# Altium PCB PCB-ZB206B-0B.PcbDoc (part 3 of 7)
Units mm, origin at the board's own origin, x right, y up, seen from the top; angles counter-clockwise.
Board outline 366.51 x 137.86 mm, 2 copper layers (Top Layer, Bottom Layer); 583 components, 415 nets, 1779 pads, 4554 vias.
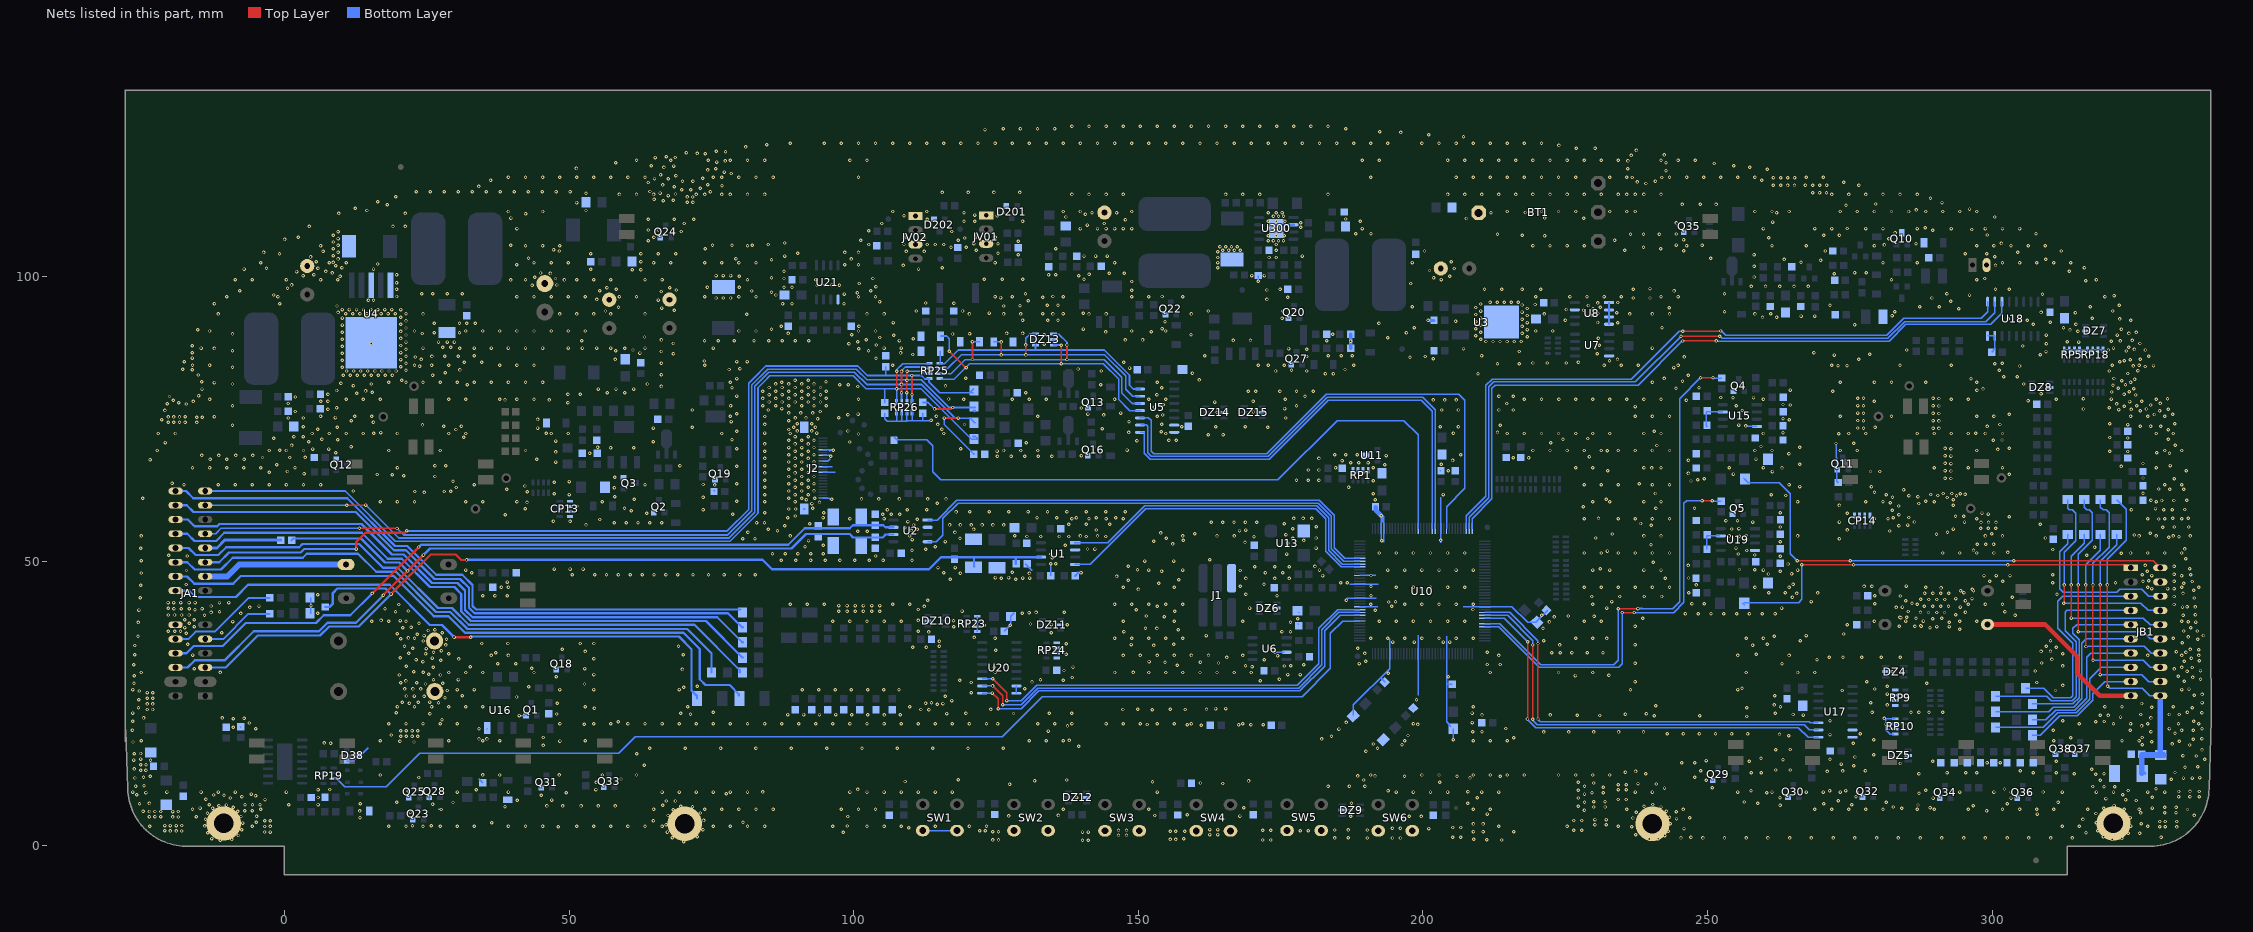
[diagram p3: the nets of this part, all layers, seen from the top]

## Via types
v1: diameter 0.6, hole 0.3, Top Layer to Bottom Layer, tented both sides, 4537 vias
v2: diameter 0.8, hole 0.3, Top Layer to Bottom Layer, 6 vias
v3: diameter 6, hole 3.4, Top Layer to Bottom Layer, 4 vias
v4: diameter 1, hole 0.5, Top Layer to Bottom Layer, tented both sides, 3 vias
v5: diameter 0.8, hole 0.4, Top Layer to Bottom Layer, 2 vias
v6: diameter 1, hole 0.3, Top Layer to Bottom Layer, 1 vias
v7: diameter 1, hole 0.5, Top Layer to Bottom Layer, 1 vias

## Nets (pads, with @x,y where several pads share a name; then routed paths per layer and width w, separated by ;. In a path a pad name is that pad's centre, name@x,y a point inside that pad or via, vN(x,y) a via of type N, cw(c..) or ccw(c..) an arc to the next point about the centre after c; other vN are vias at no path point) (continued)
CAN0_L: C11.2 D25.2 JA1.5 R5.1 R66.1 U1.6 | length 174.3
  Top Layer w0.4: v1@18.71,44.22 v1(18.71,44.24) 25.68,51.21 30.06,51.21 31.03,50.24 v1(31.98,50.24)
  Bottom Layer w0.4: JA1.5@-13.948,31.345 -10.335,31.345 -4.73,36.95 6.25,36.95 7.84,38.54 13.03,38.54 13.81,39.32 13.81,39.33 ; R66.1@7.14,41.98 7.88,41.98 8.49,42.59 8.49,44.44 9.26,45.21 17.72,45.21 18.71,44.22 13.815,39.325 ; v1(31.98,50.24) 32,50.26 83.99,50.26 85.624,48.626 113.244,48.626 115.347,50.73 121.15,50.73 ; D25.2@121.18,49.07 121.15,49.1 121.15,50.73 ; C11.2@128.46,49.51 128.46,50.66 ; U1.6@132.907,50.728 U1.6@132.907,50.728 121.15,50.73
CAN1-HR: JA1.19 R151.1 | length 13.8
  Bottom Layer w0.5: JA1.19@-13.948,52.345 -11.885,52.345 -10.51,53.72 R151.1@-0.67,53.72
CAN1_H: C5.2 D40.2 JA1.8 R6.2 U2.7 | length 135.7
  Top Layer w0.4: v1(15.4,44.36) 15.4,44.33 21.26,50.19 21.28,50.19 v1(23.6,52.51)
  Bottom Layer w0.4: JA1.8@-19.148,33.845 -17.225,33.845 -15.95,35.12 -10.85,35.12 -6.8,39.17 5.54,39.17 6.89,40.52 11.56,40.52 v1(15.4,44.36) ; v1(23.6,52.51) 23.98,52.89 88.501,52.89 91.415,55.804 99.32,55.804 99.872,56.356 C5.2@103.81,56.356 105.207,56.356 105.587,55.975 U2.7@106.984,55.975
CAN1_L: C9.2 D39.2 JA1.6 R6.1 R151.2 U2.6 | length 159.2
  Top Layer w0.4: v1@17.36,44.06 v1(24.4,51.1)
  Bottom Layer w0.4: JA1.6@-19.148,31.345 -17.045,31.345 -15.795,32.595 -10.555,32.595 -5.43,37.72 6.04,37.72 7.54,39.22 12.54,39.22 v1(17.37,44.05) ; R151.2@1.23,53.72 1.53,54.02 13.417,54.02 17.653,49.784 20.136,49.784 v1(21.62,48.3) ; v1(24.4,51.1) 25.54,52.24 89.049,52.24 91.597,54.788 99.289,54.788 99.88,54.197 C9.2@103.81,54.197 105.087,54.197 105.596,54.705 U2.6@106.984,54.705
CAN_SHLD0: JA1.9 R12.2 | length 13.2
  Bottom Layer w0.35: JA1.9@-13.948,36.345 -10.795,36.345 -6.38,40.76 R12.2@-2.62,40.76
CAN_SHLD1: JA1.10 R13.2 | length 19.5
  Bottom Layer w0.35: JA1.10@-19.148,36.345 -16.905,36.345 -15.61,37.64 -12.23,37.64 -6.28,43.59 R13.2@-2.61,43.59
CANRX0: U1.4 U10.63 | length 62.5
  Bottom Layer w0.25: U1.4@138.81,49.49 U1.4@139.65,49.49 ; U1.4@138.87,49.51 138.88,49.52 U1.4@138.907,49.52 ; U1.4@138.907,49.458 141.538,49.458 151.322,59.242 181.162,59.242 182.93,57.474 182.93,51.745 185.665,49.01 U10.63@188.9,49.01
CANRX1: U2.4 U10.65 | length 88.1
  Bottom Layer w0.25: U2.4@112.984,53.435 114.497,53.435 115.672,54.61 115.672,57.561 118.352,60.242 181.585,60.242 183.93,57.897 183.93,52.164 186.084,50.01 U10.65@188.9,50.01
CANTX0: U1.1 U10.64 | length 60.7
  Bottom Layer w0.25: U1.1@138.81,53.35 138.86,53.3 U1.1@139.03,53.3 ; U1.1@138.86,53.19 U1.1@138.95,53.19 ; U1.1@138.907,53.268 U1.1@138.998,53.268 ; U1.1@138.95,53.22 U1.1@138.998,53.268 ; U1.1@139.062,53.332 U1.1@139.03,53.3 ; U10.64@188.9,49.51 185.874,49.51 183.43,51.954 183.43,57.684 181.372,59.742 151.112,59.742 144.671,53.3 U1.1@139.03,53.3 ; U1.1@138.998,53.268 U1.1@139.03,53.3
CANTX1: U2.1 U10.66 | length 85
  Bottom Layer w0.25: U2.1@112.984,57.245 114.636,57.245 118.132,60.742 181.798,60.742 184.43,58.11 184.43,52.374 186.294,50.51 U10.66@188.9,50.51
CP1: R96.2 U10.139 | length 73.7
  Top Layer w0.25: v1(235.02,41) v1(237.13,41) ; v1(249.05,60.66) 249.07,60.64 v1(250.83,60.64)
  Bottom Layer w0.25: U10.139@210.9,38.51 213.324,38.51 220.474,31.36 234.39,31.36 235.02,31.99 v1(235.02,41) ; 238.649,41.002 237.132,41.002 v1(237.13,41) 244.073,41 245.85,42.777 245.85,60.19 246.32,60.66 v1(249.05,60.66) ; v1(250.83,60.64) 250.89,60.58 R96.2@252.45,60.58
CP2: R21.2 U10.138 | length 92.5
  Top Layer w0.25: v1(234.32,41.66) 234.36,41.7 v1(237.78,41.7) ; v1(248.77,82.24) 250.96,82.24 v1(250.97,82.25)
  Bottom Layer w0.25: U10.138@210.9,39.01 213.534,39.01 220.682,31.862 233.562,31.862 234.32,32.62 v1(234.32,41.66) ; v1@237.77,41.71 238.595,41.71 238.585,41.7 ; v1(237.78,41.7) 238.585,41.7 ; v1(248.77,82.24) 248.73,82.24 245.09,78.6 245.09,42.906 243.884,41.7 238.585,41.7 ; v1(250.97,82.25) 251.02,82.2 R21.2@252.53,82.2
DA1: U10.134 U17.11 | length 74.6
  Top Layer w0.25: v1@220.22,22.3 v1(220.22,35.558)
  Bottom Layer w0.25: U10.134@210.9,41.01 215.22,41.01 220.22,36.01 v1(220.22,35.558) ; v1@220.22,22.22 220.628,21.812 267.868,21.812 268.04,21.64 U17.11@269.48,21.64
  other v1: 220.22,22.29
DA2: U10.108 U18.11 | length 123.1
  Top Layer w0.25: v1(245.65,88.71) 245.66,88.72 v1(251.55,88.72)
  Bottom Layer w0.25: U10.108@208.65,55.76 208.65,57.47 212.141,60.961 212.141,80.442 212.669,80.97 237.84,80.97 245.58,88.71 v1(245.65,88.71) ; v1@251.62,88.682 281.912,88.682 284.842,91.612 299.782,91.612 301.742,93.572 U18.11@301.742,95.607
DA3: U10.48 U20.11 | length 79
  Top Layer w0.25: v1(124.41,29.38) 126.87,26.92 v1(126.87,25.53)
  Bottom Layer w0.25: U20.11@122.55,29.38 v1(124.41,29.38) ; v1(126.87,25.53) 129.43,25.53 132.125,28.225 177.936,28.225 181.722,32.012 181.722,38.217 185.015,41.51 U10.48@188.9,41.51
DA4: U5.11 U10.99 | length 91.6
  Bottom Layer w0.25: U5.11@150.18,75.26 151.79,75.26 152.24,74.81 152.24,69.38 152.698,68.922 172.582,68.922 183.05,79.39 206.27,79.39 207.35,78.31 207.35,62.82 204.15,59.62 U10.99@204.15,55.76
DB1: U10.135 U17.10 | length 74.9
  Top Layer w0.25: v1@219.31,22.29 v1(219.31,35.29) v1@219.31,35.32
  Bottom Layer w0.25: U10.135@210.9,40.51 214.87,40.51 219.3,36.08 v1@219.3,35.32 ; v1@219.31,22.11 220.12,21.3 266.98,21.3 ; 267,21.3 266.98,21.3 ; U17.10@269.48,20.37 267.91,20.37 266.98,21.3
  other v1: 219.3,22.27
DB2: U10.107 U18.10 | length 122.8
  Top Layer w0.25: v1(245.35,89.56) v1(252.18,89.56)
  Bottom Layer w0.25: U10.107@208.15,55.76 208.15,57.74 211.596,61.186 211.596,80.659 212.451,81.514 237.304,81.514 v1(245.35,89.56) ; v1(252.18,89.56) 252.558,89.182 281.702,89.182 284.632,92.112 298.922,92.112 300.472,93.662 U18.10@300.472,95.607
DB3: U10.47 U20.10 | length 79
  Top Layer w0.25: v1(124.39,28.11) 126.16,26.34 v1(126.16,24.79)
  Bottom Layer w0.25: U20.10@122.55,28.11 v1(124.39,28.11) ; v1(126.16,24.79) 129.401,24.79 132.336,27.725 178.146,27.725 182.222,31.802 182.222,38.002 185.231,41.01 U10.47@188.9,41.01
DB4: U5.10 U10.95 | length 82.9
  Bottom Layer w0.25: U5.10@150.45,73.97 150.46,73.97 150.49,74 151.41,74 151.64,73.77 151.64,69.06 152.28,68.42 172.789,68.42 183.191,78.822 199.988,78.822 202.15,76.66 U10.95@202.15,55.76
DC1: U10.136 U17.9 | length 75.4
  Top Layer w0.25: v1@218.39,35.91 218.44,35.86 v1@218.44,22.24
  Bottom Layer w0.25: U10.136@210.9,40.01 214.28,40.01 v1(218.4,35.89) ; v1(218.37,22.29) 218.37,22.22 219.798,20.792 265.988,20.792 267.68,19.1 U17.9@269.48,19.1
DC2: U10.106 U18.9 | length 122.5
  Top Layer w0.25: v1(245.66,90.43) 245.68,90.45 252.18,90.45 v1@252.29,90.56
  Bottom Layer w0.25: U10.106@207.65,55.76 207.65,57.97 211.08,61.4 211.08,80.905 212.206,82.031 236.651,82.031 245.05,90.43 v1(245.66,90.43) ; v1@252.29,90.56 253.168,89.682 281.492,89.682 284.512,92.702 298.062,92.702 299.202,93.842 U18.9@299.202,95.607
  other v1: 252.32,90.46
DC3: U10.46 U20.9 | length 79
  Top Layer w0.25: v1@124.35,26.85 v1(124.36,26.85) 125.38,25.83 v1(125.38,24.1)
  Bottom Layer w0.25: U20.9@122.55,26.84 124.36,26.84 v1@124.38,26.84 ; v1(125.38,24.1) 129.421,24.1 132.546,27.225 178.356,27.225 182.722,31.592 182.722,37.792 185.441,40.51 187.38,40.51 U10.46@188.9,40.51
DC4: U5.9 U10.94 | length 81.1
  Bottom Layer w0.25: U5.9@150.31,72.66 150.911,72.66 151.003,72.568 151.003,68.981 152.064,67.92 172.996,67.92 183.391,78.315 199.71,78.315 201.593,76.432 201.65,76.375 U10.94@201.65,55.76
DOWNLOAD: R156.2 U10.89 | length 119.7
  Bottom Layer w0.25: R156.2@107.08,71.83 107.1,71.81 107.1,71.79 107.52,71.37 112.812,71.37 ; 112.824,71.36 113.843,70.341 113.843,65.731 115.262,64.312 174.533,64.312 184.954,74.734 196.665,74.734 199.15,72.249 U10.89@199.15,55.76
DSEL: RP19.3 U10.44 | length 196.5
  Bottom Layer w0.25: RP19.3@8.65,11.88 9.1,11.88 10.57,10.41 17.911,10.41 23.762,16.262 58.692,16.262 61.641,19.21 126.111,19.21 133.126,26.225 178.776,26.225 183.742,31.191 183.742,37.342 185.91,39.51 U10.44@188.9,39.51
EIN-AD02: C76.1 JA1.17 R8.2 RP25.5 RP26.4 | length 172.6
  Top Layer w0.3: v1(110.22,82.64) 110.24,82.62 v1(110.24,79.26)
  Top Layer w0.4: v1(12.59,52.15) 12.59,53.4 14.21,55.02 21.13,55.02 v1(21.46,55.35)
  Bottom Layer w0.3: v1(21.46,55.35) 21.47,55.34 77.772,55.34 81.535,59.103 81.535,81.274 82.521,82.259 ; 82.52,82.26 84.572,84.312 100.698,84.312 102.37,82.64 v1(110.22,82.64) v1@110.31,82.64 ; C76.1@105.61,84.2 105.61,82.67 105.62,82.66 ; RP26.4@110.24,78.01 v1(110.24,79.26) ; v1@110.31,82.66 111.89,82.66 112.53,82.02 RP25.5@113.21,82.02 ; RP25.5@113.21,82.1 RP25.5@113.21,82.02 ; RP25.5@113.33,82.02 RP25.5@113.21,82.02 ; R8.2@120.98,79.61 R8.2@120.4,79.61 ; R8.2@121.11,80.32 R8.2@120.4,79.61 ; RP25.5@113.21,82.02 113.21,81.52 115.12,79.61 R8.2@120.4,79.61
  Bottom Layer w0.4: JA1.17@-13.948,49.845 -11.455,49.845 -9.74,51.56 2.84,51.56 3.46,52.18 v1@12.63,52.18
EIN-AD03: C77.1 JA1.21 R19.2 RP25.6 RP26.3 | length 181.1
  Top Layer w0.3: v1(13.17,55.79) 19.79,55.79 19.81,55.77 v1(19.77,55.77) ; v1(109.33,79.61) v1@109.33,81.87 ; v1@109.34,81.88 v1@109.34,83.36 ; v1(114.2,76.77) 117.12,76.77 v1(117.38,77.03)
  Bottom Layer w0.3: JA1.21@-13.948,54.845 -12.105,54.845 -11.16,55.79 v1(13.17,55.79) ; v1(19.77,55.77) 19.81,55.77 20.94,54.64 77.849,54.64 82.085,58.876 82.085,80.975 84.872,83.762 100.438,83.762 102.32,81.88 v1@109.35,81.88 ; 109.3,78.57 v1@109.3,79.58 ; v1(109.35,81.82) v1@109.35,81.88 ; v1(109.37,83.39) 112.03,83.39 112.49,82.93 RP25.6@113.28,82.93 ; C77.1@112.13,77.92 113.05,77.92 113.11,77.86 ; C77.1@112.28,77.86 113.11,77.86 ; 113.81,77.2 113.15,77.86 113.11,77.86 ; v1(114.2,76.77) 113.11,77.86 ; R19.2@121,76.55 R19.2@121.23,76.32 ; R19.2@121.19,76.37 R19.2@121.35,76.53 ; R19.2@121.32,77.01 121.11,77.01 116.754,77.01 111.884,81.88 v1@109.35,81.88
EIN-AD04: C30.1 JA1.25 R20.2 RP25.7 RP26.2 | length 187.6
  Top Layer w0.3: v1@10.89,59.87 14.27,59.87 v1(14.28,59.88) ; v1(108.38,81.08) v1@108.38,83.33 ; v1(108.39,79.59) v1@108.39,81.07 ; v1(115.93,75.17) v1(118.34,75.17) 118.39,75.17 v1@118.45,75.11
  Bottom Layer w0.3: JA1.25@-13.948,59.845 10.915,59.845 v1(10.92,59.85) ; v1@14.32,59.87 20.11,54.08 78.067,54.08 82.635,58.648 82.635,80.745 85.1,83.21 100.13,83.21 ; 100.2,83.15 102.27,81.08 v1(108.38,81.08) 111.894,81.08 117.844,75.13 120.51,75.13 R20.2@121.29,74.35 ; 108.4,78.57 v1@108.4,79.58 ; v1@108.45,83.41 108.45,83.53 109.06,84.14 113.33,84.14 RP25.7@113.33,83.91 RP25.7@113.33,83.82 ; v1(115.93,75.17) 115.93,74.03 C30.1@121.12,68.84 ; R20.2@120.83,74.68 R20.2@120.84,74.68
  other v1: 108.41,83.36
EIN-AD05: C79.1 JA1.27 R30.2 RP25.8 RP26.1 | length 184.3
  Top Layer w0.3: v1(107.53,80.33) 107.55,80.35 v1(107.55,83.39)
  Bottom Layer w0.3: JA1.27@-13.948,62.345 10.633,62.345 19.469,53.51 78.275,53.51 83.185,58.42 83.185,80.514 84.272,81.601 ; 84.271,81.601 84.272,81.601 ; 105.46,80.3 105.47,80.29 C79.1@105.47,77.9 ; v1@107.49,83.4 107.49,83.61 108.6,84.72 RP25.8@113.33,84.72 ; v1@107.53,80.34 v1@107.54,80.33 ; RP26.1@107.54,78.01 v1@107.54,80.33 ; v1(107.55,83.39) v1@107.64,83.48 ; R30.2@120.9,71.92 121.36,71.92 R30.2@121.68,71.6 ; R30.2@121.11,71.5 R30.2@121.11,71.46 ; R30.2@121.73,71.46 R30.2@121.11,71.46 ; 84.272,81.601 85.251,82.58 99.9,82.58 102.15,80.33 v1(107.53,80.33) v1@107.54,80.33 ; v1@107.54,80.33 111.81,80.33 120.68,71.46 R30.2@121.11,71.46
EIN-ST01: JB1.5 R182.1 | length 40
  Bottom Layer w0.25: R182.1@305.886,27.686 309.118,27.686 310.769,26.035 313.817,26.035 314.198,26.416 314.198,35.56 311.54,38.218 311.54,43 312.407,43.867 JB1.5@324.361,43.867
EIN-ST02: JB1.7 R183.1 | length 42.1
  Bottom Layer w0.25: R183.1@300.609,26.289 309.626,26.289 310.388,25.527 314.071,25.527 314.782,26.238 314.782,35.865 312.84,37.807 312.84,41.06 313.147,41.367 JB1.7@324.361,41.367
EIN-ST03: JB1.9 R186.1 | length 31.7
  Bottom Layer w0.25: R186.1@307.086,24.934 314.206,24.934 315.282,26.011 315.282,36.254 314.198,37.338 314.198,38.227 314.838,38.867 JB1.9@324.361,38.867
EIN-ST04: JB1.11 R187.1 | length 34.8
  Bottom Layer w0.25: R187.1@300.609,23.571 309.956,23.571 310.769,24.384 314.363,24.384 315.79,25.811 315.79,35.587 316.57,36.367 JB1.11@324.361,36.367
EIN-ST05: JB1.13 R190.1 | length 26.3
  Bottom Layer w0.25: R190.1@307.086,22.183 309.457,22.183 311.15,23.876 314.562,23.876 316.65,25.964 316.65,33.137 317.38,33.867 JB1.13@324.361,33.867
EIN-ST06: JB1.15 R191.1 | length 30.2
  Bottom Layer w0.25: R191.1@300.609,20.803 308.966,20.803 311.531,23.368 314.761,23.368 317.157,25.764 317.157,29.375 319.149,31.367 JB1.15@324.361,31.367
EIN-ST07: JB1.17 R198.1 | length 21.9
  Bottom Layer w0.25: R198.1@307.086,19.431 308.483,19.431 311.912,22.86 314.96,22.86 317.66,25.56 317.66,26.703 319.824,28.867 JB1.17@324.361,28.867
EIN-ST09: C101.2 D41.2 D42.2 JB1.20 R201.1 | length 62.8
  Top Layer w0.25: v1@320.27,28.067 v1(320.27,45.847)
  Bottom Layer w0.25: v1(320.27,45.847) 320.27,50.395 323.596,53.721 323.596,59.152 R201.1@321.921,60.827 ; v1(320.294,28.067) 320.675,27.686 326.344,27.686 327.663,26.367 JB1.20@329.561,26.367 ; D41.2@330.25,16.5 D41.2@330.27,16.52
  Bottom Layer w0.5: C101.2@326.31,15.981 326.32,15.981 C101.2@326.32,16.11 ; D42.2@326.32,12.787 D42.2@326.412,12.695 ; D42.2@326.82,12.797 D42.2@326.892,12.725 ; D41.2@329.561,16.56 D41.2@330.14,15.981
  Bottom Layer w1: D42.2@326.32,12.787 326.32,15.981 D41.2@330.14,15.981 ; D41.2@329.561,16.56 JB1.20@329.561,26.367
EIN-ST10: JB1.18 R203.1 | length 36.9
  Top Layer w0.25: v1(319,45.847) 319,30.11 v1(319.01,30.1)
  Bottom Layer w0.25: v1(319,45.847) 319,50.014 321.921,52.935 R203.1@321.921,54.737 ; v1(319.01,30.1) 326.28,30.1 327.513,28.867 JB1.18@329.561,28.867
EIN-ST11: JB1.16 R205.1 | length 42.6
  Top Layer w0.25: v1(317.73,45.847) 317.73,32.64 v1(317.74,32.64)
  Bottom Layer w0.25: v1(317.73,45.847) 317.73,49.633 320.548,52.451 320.548,58.547 320.04,59.055 319.507,59.055 319.05,59.511 R205.1@319.05,60.827 ; v1@317.75,32.63 326.56,32.63 327.823,31.367 JB1.16@329.561,31.367
EIN-ST12: JB1.14 R206.1 | length 34.7
  Top Layer w0.25: v1(316.44,45.847) 316.44,35.11 v1@316.52,35.03 ; v1(316.49,35.03) v1@316.52,35.03 ; v1@316.52,35.03 316.63,34.92 316.74,35.03 v1@316.52,35.03
  Bottom Layer w0.25: v1(316.44,45.847) 316.46,45.867 316.46,49.379 319.05,51.969 R206.1@319.05,54.737 ; v1@316.77,35.07 326.75,35.07 327.953,33.867 JB1.14@329.561,33.867
EIN-ST13: JB1.12 R207.1 | length 40
  Top Layer w0.25: v1(315.16,37.63) v1(315.16,45.847)
  Bottom Layer w0.25: v1(315.16,37.63) 326.54,37.63 327.803,36.367 JB1.12@329.561,36.367 ; v1(315.16,45.847) 315.16,51.211 317.627,53.678 317.627,58.527 317.099,59.055 316.662,59.055 316.18,59.537 R207.1@316.18,60.827
EIN-ST14: JB1.10 R208.1 | length 32.1
  Top Layer w0.25: v1@313.92,39.89 v1(313.92,40.03) v1(313.92,45.847)
  Bottom Layer w0.25: v1(313.92,40.03) 313.92,39.89 314.05,40.02 326.6,40.02 327.753,38.867 JB1.10@329.561,38.867 ; v1(313.92,45.847) 313.92,50.903 316.18,53.163 R208.1@316.18,54.737
EIN-ST15: JB1.8 R209.1 | length 37.5
  Top Layer w0.25: v1(312.62,42.65) 312.63,42.65 312.64,42.64 v1@312.64,42.71 ; v1@312.62,42.69 v1@312.64,42.71 ; v1(312.66,45.847) 312.66,42.73 v1@312.64,42.71
  Bottom Layer w0.25: v1(312.62,42.65) 312.64,42.67 326.13,42.67 327.433,41.367 JB1.8@329.561,41.367 ; v1(312.66,45.847) 312.66,51.548 314.706,53.594 314.706,58.42 314.071,59.055 313.538,59.055 313.309,59.284 R209.1@313.309,60.827
EIN-ST16: JB1.6 R214.1 | length 28.7
  Bottom Layer w0.25: R214.1@313.309,54.737 313.309,53.086 311.912,51.689 311.912,45.212 312.547,44.577 321.94,44.577 322.453,45.09 326.34,45.09 327.563,43.867 JB1.6@329.561,43.867
EIN-ST17: JA1.28 R59.1 | length 110.1
  Bottom Layer w0.4: JA1.28@-19.148,62.345 -17.295,62.345 -16.05,61.1 11.03,61.1 19.425,52.705 21.565,52.705 26.64,47.63 31.237,47.63 33.04,45.827 33.04,42.14 33.66,41.52 R59.1@80.12,41.52
EIN-ST18: JA1.26 R60.1 | length 110.5
  Bottom Layer w0.4: JA1.26@-19.148,59.845 -17.185,59.845 -15.99,58.65 12.52,58.65 19.227,51.943 21.317,51.943 26.35,46.91 30.814,46.91 32.39,45.334 32.39,41.86 33.38,40.87 77.91,40.87 80.36,38.42 R60.1@80.49,38.42
EIN-ST19: JA1.24 R61.1 | length 110.9
  Bottom Layer w0.4: JA1.24@-19.148,57.345 -16.995,57.345 -15.81,56.16 -11.82,56.16 -11.43,56.55 13.51,56.55 18.879,51.181 20.929,51.181 25.92,46.19 30.391,46.19 31.72,44.861 31.72,41.464 33.024,40.16 76.03,40.16 80.4,35.79 R61.1@80.49,35.79
EIN-ST20: JA1.22 R63.1 | length 111.7
  Bottom Layer w0.4: JA1.22@-19.148,54.845 -17.095,54.845 -15.83,53.58 -12.02,53.58 -10.6,55 13.58,55 18.146,50.434 20.576,50.434 25.54,45.47 29.841,45.47 31.06,44.251 31.06,41.204 32.767,39.498 74.042,39.498 80.43,33.11 R63.1@80.55,33.11
EIN-ST21: JA1.20 R64.1 | length 110
  Bottom Layer w0.4: JA1.20@-19.148,52.345 -16.855,52.345 -15.61,51.1 -11.63,51.1 -10.26,52.47 2.58,52.47 3.16,53.05 13.117,53.05 17.307,48.86 19.87,48.86 26.95,41.78 29.42,41.78 32.355,38.845 72.005,38.845 79.97,30.88 R64.1@79.97,30.5
EIN-ST22: JA1.18 R65.1 | length 106.5
  Bottom Layer w0.4: JA1.18@-19.148,49.845 -17.075,49.845 -15.79,48.56 -11.18,48.56 -9.1,50.64 3.2,50.64 3.9,51.34 12.922,51.34 16.102,48.16 19.56,48.16 26.61,41.11 29.11,41.11 32.13,38.09 70.754,38.09 75,33.844 R65.1@75,30.46
EIN-ST23: JA1.16 R68.1 | length 112
  Bottom Layer w0.4: JA1.16@-19.148,47.345 -17.125,47.345 -15.86,46.08 -9.01,46.08 -7.68,47.41 19.18,47.41 26.22,40.37 28.76,40.37 31.7,37.43 70.11,37.43 72.94,34.6 72.94,29.27 73.95,28.26 78.205,28.26 79.82,26.645 R68.1@79.82,26.42
EIN-ST24: JA1.14 R69.1 | length 105.9
  Top Layer w0.4: v1(29.78,36.69) 29.8,36.67 v1(32.73,36.67)
  Bottom Layer w0.4: JA1.14@-19.148,44.845 -16.735,44.845 -15.61,43.72 -8.55,43.72 -6.4,45.87 18.47,45.87 25.53,38.81 27.66,38.81 v1(29.78,36.69) ; v1@32.67,36.66 32.782,36.772 69.298,36.772 71.5,34.57 71.5,27.306 72.48,26.326 R69.1@72.48,25.9
EIN-ST25: JA1.15 R85.1 | length 25.6
  Bottom Layer w1: JA1.15@-13.948,47.345 -10.055,47.345 -7.96,49.44 R85.1@10.81,49.44
EIN-ST27: JB1.19 R111.1 | length 32.1
  Top Layer w0.8: R111.1@299.19,38.9 309.36,38.9 314.99,33.27 314.99,30.298 318.922,26.367 JB1.19@324.361,26.367
F02: D37.2 DZ13.3 RP25.4 U5.12 | length 54.3
  Top Layer w0.3: v1(116.8,86.89) 119.67,84.02 v1(119.75,84.02) ; v1(136.45,84.69) v1(136.45,87.98)
  Bottom Layer w0.3: D37.2@115.27,89.58 116.33,89.58 116.8,89.11 v1(116.8,86.89) v1@116.79,86.9 ; RP25.4@115.44,81.98 117.61,81.98 120.33,84.7 143.87,84.7 146.55,82.02 146.55,78.42 148.5,76.47 U5.12@150.31,76.47 U5.12@150.38,76.47 ; DZ13.3@135.094,88.018 136.412,88.018 v1(136.45,87.98)
F03: D18.2 DZ13.1 RP25.3 U5.13 | length 51.4
  Top Layer w0.3: v1(120.86,88.58) 120.86,85.46 v1(120.87,85.45) ; v1@137.45,85.38 137.46,85.39 v1(137.46,85.45) v1(137.46,88)
  Bottom Layer w0.3: RP25.3@115.13,82.96 117.09,82.96 119.542,85.412 144.008,85.412 147.102,82.318 147.102,79.568 148.94,77.73 U5.13@150.29,77.73 ; v1(120.86,88.58) 120.87,88.57 D18.2@122.12,88.57 ; DZ13.1@135.094,89.918 136.015,89.918 137.46,88.473 v1(137.46,88)
F04: D20.2 DZ13.6 RP25.2 U5.14 | length 49
  Top Layer w0.3: v1(125.9,86.26) 125.91,86.27 v1(125.91,88.54) ; v1@130.23,86.29 v1(130.23,88.02)
  Bottom Layer w0.3: RP25.2@115.13,83.82 116.46,83.82 118.94,86.3 v1@125.9,86.3 ; D20.2@124.6,88.56 125.89,88.56 v1(125.91,88.54) ; v1(125.9,86.26) v1@125.91,86.26 ; v1@125.91,86.3 144.06,86.3 147.78,82.58 147.78,80.24 149.04,78.98 U5.14@150.18,78.98 ; v1(130.23,88.02) 130.23,89.21 130.963,89.943 DZ13.6@131.944,89.943
  other v1: 130.26,86.26
F05: D23.2 DZ13.4 RP25.1 U5.15 | length 43.1
  Bottom Layer w0.3: RP25.1@115.1,84.84 115.12,84.82 115.12,84.8 RP25.1@115.13,84.81 115.21,84.89 D23.2@115.21,86.9 ; RP25.1@115.13,84.72 115.96,84.72 118.36,87.12 121.87,87.12 ; 121.88,87.13 121.87,87.12 ; 131.87,87.17 131.944,87.244 DZ13.4@131.944,88.018 ; U5.15@150.31,80.28 149.14,80.28 148.46,80.96 148.46,82.694 144.034,87.12 121.87,87.12
F49: D13.2 JB1.1 | length 73.9
  Top Layer w0.25: v1(266.58,49.37) v1(275.66,49.37) ; v1(302.78,49.36) 302.783,49.357 JB1.1@323.651,49.357
  Bottom Layer w0.25: D13.2@256.25,42.66 256.21,42.62 256.21,42.58 D13.2@256.367,42.58 ; D13.2@256.48,42.73 D13.2@256.84,42.73 ; D13.2@256.49,42.35 D13.2@256.52,42.32 ; D13.2@256.84,42.72 265.993,42.72 266.58,43.307 v1@266.58,49.27 ; v1@275.4,49.37 v1(275.66,49.37) 302.74,49.37 v1@302.76,49.35
F49_1: R101.1 R107.2 U19.7 | length 4.7
  Bottom Layer w0.25: R101.1@249.91,52.11 249.91,54.4 249.84,54.47 252.03,54.47 U19.7@252.09,54.41
F50: D5.2 JB1.2 | length 85.7
  Top Layer w0.25: v1(265.769,50.08) v1(275.09,50.08) ; v1(303.8,50.12) 328.308,50.12 JB1.2@329.561,48.867
  Bottom Layer w0.25: D5.2@256.38,64.51 D5.2@256.42,64.55 ; D5.2@256.58,64.39 257.173,63.797 262.613,63.797 264.56,61.85 264.56,51.289 v1(265.769,50.08) ; v1@275.1,50.07 303.74,50.07 v1@303.795,50.125
F50_1: R39.1 R47.2 U15.7 | length 5.6
  Bottom Layer w0.25: R39.1@249.93,73.64 249.75,73.82 249.75,76.22 249.77,76.24 U15.7@252.67,76.24
GND: BT1.2 C1.2 C2.1 C3.2 C4.2 C5.1 C6.1 C7.2 C8.2 C9.1 C10.2 C11.1 C12.2 C13.1 C14.1 C15.2 C16.1 C17.1 C18.1 C20.1 C21.1 C22.2 C23.2 C24.2 C25.2 C26.2 C27.2 C28.2 C29.2 C30.2 C31.2 C32.1 C33.2 C34.2 C35.1 C36.2 C37.2 C38.2 C39.1 C40.2 C41.2 C42.2 C43.2 C44.2 C45.2 C46.2 C47.2 C49.1 C50.1 C53.1 C54.2 C55.1 C56.2 C57.2 C58.2 C59.2 C60.2 C61.2 C62.2 C63.2 C64.2 C65.2 C66.2 C67.1 C68.2 C69.1 C70.1 C71.1 C72.1 C73.1 C74.2 C75.1 C76.2 C77.2 C78.2 C79.2 C80.2 C81.2 C82.1 C83.1 C84.1 C85.2 C86.1 C87.1 C88.1 C89.2 C90.2 C91.2 C92.2 C93.1 C94.1 C95.1 C96.1 C98.2 C99.1 C100.2 C101.1 C102.1 C103.1 C104.1 C105.1 C106.1 C107.1 C108.1 C208.2 C300.1 CP1.2 CP2.2 CP3.2 CP4.2 CP5.2 CP6.2 CP7.2 CP8.2 CP10.2 CP11.2 CP12.2 CP13.1 CP13.2 CP13.3 CP13.4 CP14.1 CP14.2 CP14.3 CP14.4 CP15.2 CP16.2 CP17.2 CP18.2 CP19.2 CP22.2 CP23.2 CP24.2 CP25.2 CP26.2 CP200.2 CP303.2 D2.2 D6.2 D8.2 D10.2 D11.1 D14.1 D18.1 D20.1 D23.1 D25.1 D27.1 D31.1 D32.1 D34.2 D35.2 D36.1 D37.1 D38.1 D38.3 D39.1 D40.1 D41.1 D42.1 D48.1 D201.1 D202.1 DW1.1 DW12.1 DW300.1 DZ4.2 DZ5.2 DZ6.2 DZ7.2 DZ8.2 DZ9.2 DZ10.2 DZ11.2 DZ12.2 DZ13.2 DZ14.2 DZ15.2 J1.6 J2.1 J2.10 J2.12 J2.14 J2.16 J2.18 J2.23 J2.24 J3.2 JA1.12 JB1.4 JV01.1 JV01.3 JV02.1 JV02.3 Q1.2 Q2.2 Q3.2 Q4.3 Q5.3 Q10.3 Q11.2 Q12.2 Q13.2 Q16.2 Q18.1 Q19.2 Q20.2 Q22.2 Q23.1 Q24.1 Q25.1 Q27.2 Q28.1 Q29.1 Q30.1 Q31.1 Q32.1 Q33.1 Q34.1 Q35.1 Q36.1 Q37.1 Q38.1 R3.2 R4.2 R9.2 R10.2 R28.2 R35.2 R36.1 R37.2 R38.1 R40.1 R41.2 R43.2 R45.1 R46.1 R67.1 R70.1 R78.2 R79.2 R87.2 R88.2 R89.2 R90.2 R95.1 R97.1 R100.2 R103.2 R106.1 R131.2 R136.1 R139.1 R141.1 R144.1 R150.1 R159.2 R161.1 R165.1 R167.1 R170.1 R173.1 R175.2 R179.1 R197.2 R211.2 R213.2 R231.2 R232.2 RP1.5 RP1.6 RP1.7 RP1.8 RP5.1 RP5.2 RP5.3 RP5.4 RP9.1 RP9.2 RP9.3 RP9.4 RP10.1 RP10.2 RP10.3 RP10.4 RP18.1 RP18.2 RP18.3 RP18.4 RP23.1 RP23.2 RP23.3 RP23.4 RP24.1 RP24.2 RP24.3 RP24.4 RP26.5 RP26.6 RP26.7 RP26.8 SW1.2 SW2.2 SW3.2 SW4.2 SW5.2 SW6.2 U1.2 U2.2 U3.2 U4.3 U4.5 U5.7 U5.8 U6.3 U7.4 U8.1 U8.2 U8.3 U8.4 U8.7 U10.10 U10.20 U10.30 U10.49 U10.52 U10.57 U10.60 U10.76 U10.77 U10.97 U10.132 U11.3 U13.2 U15.4 U16.3 U17.7 U17.8 U18.7 U18.8 U19.4 U20.7 U20.8 U21.5 U300.2 | length 203
  Top Layer w0.25: v1@100.69,88.57 v1(100.71,88.59) ; v1@256.68,73.83 256.68,73.81 v1(256.7,73.79)
  Bottom Layer w0.2: DZ9.2@186.186,6.33 v1(187.43,6.33)
  Bottom Layer w0.25: C75.1@-7.78,20.86 C75.1@-7.7,20.94 ; C7.2@4.6,40.83 C8.2@4.6,43.62 ; C81.2@6.81,8.26 C81.2@6.82,8.27 ; D38.1@10.95,14.85 12.017,14.85 D38.3@12.982,15.815 ; D38.3@12.972,15.915 13.365,15.915 14.71,17.26 ; 25.405,7.985 Q28.1@25.405,8.56 ; 26.99,6.4 v1(27.54,6.4) ; 34.08,11.79 R141.1@34.79,11.08 ; U16.3@35.51,20.61 U16.3@35.62,20.5 ; v1(41.21,22.9) 42.215,22.9 Q1.2@42.225,22.91 ; R136.1@75.45,62.27 R136.1@75.625,62.445 ; J2.1@94.575,61.12 95.725,61.12 v1@95.91,60.935 ; J2.10@94.575,65.62 96.752,65.62 ; J2.12@94.575,66.62 96.211,66.62 ; J2.14@94.575,67.62 95.457,67.62 95.86,68.022 ; J2.16@94.575,68.62 95.798,68.62 v1@95.86,68.682 ; J2.18@94.575,69.62 95.604,69.62 ; 95.86,69.364 95.604,69.62 ; v1@96.392,69.62 95.604,69.62 ; v1@97.36,81.08 v1@97.38,81.1 ; v1@97.38,81.08 v1@97.38,81.1 ; v1@97.39,81.1 v1@97.38,81.1 ; C79.2@105.47,76 105.47,75.09 105.92,74.64 107.48,74.64 ; RP26.8@107.54,76.21 107.54,74.7 107.48,74.64 ; RP26.7@108.44,76.21 108.44,74.69 108.46,74.67 ; RP26.6@109.34,76.21 109.34,74.78 ; 109.37,74.64 107.48,74.64 ; 109.37,74.68 109.34,74.71 109.34,74.78 ; RP26.5@110.24,76.21 110.24,74.72 110.26,74.7 110.25,74.69 ; 112.07,74.67 112.13,74.73 C77.2@112.13,76.02 ; SW1.2@112.142,2.687 SW1.2@118.142,2.687 ; v1(113.59,74.76) 113.58,74.76 113.48,74.66 109.22,74.66 109.34,74.78 ; v1@117.458,39.542 117.52,39.48 117.53,39.49 v1(117.53,39.54) ; RP23.4@121.68,37.66 RP23.3@121.68,38.56 RP23.2@121.68,39.46 RP23.1@121.68,40.36 ; C72.1@126.48,37.71 127.63,38.86 CP24.2@127.63,40.28 127.63,40.39 CP24.2@128.17,40.93 ; U20.8@128.55,26.84 U20.7@128.55,28.11 ; C11.1@130.17,49.54 131.29,48.42 131.37,48.42 ; v1(134.63,49.56) 134.64,49.55 C3.2@134.64,47.44 ; DZ13.2@134.862,88.968 134.92,88.91 DZ13.2@134.93,88.91 ; R90.2@135.65,30.82 R90.2@135.69,30.86 ; v1@170.23,76.198 v1@170.23,76.24 ; v1(171.069,99.187) R179.1@171.069,100.208 ; v1(173.994,34.04) 173.982,34.028 U6.3@175.657,34.028 ; U300.2@174.41,109.19 U300.2@174.475,109.125 ; U300.2@174.84,108.71 174.935,108.615 174.985,108.565 U300.2@175.23,108.32 ; C25.2@178.03,39.04 C25.2@178.15,38.92 ; CP12.2@178.15,40.99 178.16,40.98 178.17,40.98 CP12.2@178.24,41.05 ; 186.63,43.51 U10.52@188.9,43.51 191.8,43.51 ; 187.12,46.01 U10.57@188.9,46.01 192.18,46.01 ; CP11.2@187.8,22.97 187.8,24.77 194.15,31.12 U10.30@194.15,33.76 194.15,36.37 ; U10.49@188.9,42.01 192.03,42.01 ; U10.60@188.9,47.51 v1(190.881,47.51) 191.72,47.51 ; 192.61,29.54 192.61,29.53 193.32,28.82 C21.1@193.32,28.77 ; v1@192.65,53.74 U10.76@192.65,55.76 192.65,57.979 v1(192.684,58.014) 192.926,57.772 193.15,57.548 193.15,56.938 ; 192.926,57.163 193.15,56.938 ; 193.15,53.36 U10.77@193.15,55.76 193.15,56.938 ; SW6.2@198.102,2.687 SW6.2@198.142,2.647 ; C10.2@198.256,24.224 C10.2@198.324,24.224 ; 199.15,26.5 U10.20@199.15,33.76 199.15,37.02 ; C34.2@203.03,65.98 203.08,65.93 C34.2@203.18,65.93 ; 203.15,53.25 v1(203.15,53.721) U10.97@203.15,55.76 203.15,61.29 ; CP3.2@203.24,68.71 CP3.2@203.24,68.72 ; 204.15,36.86 U10.10@204.15,33.76 204.15,21.81 CP17.2@204.73,21.23 ; 204.2,28.46 204.24,28.42 C37.2@205.18,28.42 ; CP17.2@204.675,21.175 CP17.2@204.92,20.93 ; v1(205.34,18.65) CP17.2@205.34,20.58 ; 207.11,42.01 U10.132@210.9,42.01 215.65,42.01 218.4,39.26 219.8,39.26 C56.2@221.97,41.43 ; v1(208.68,21.67) v1@208.71,21.64 ; v1(256.7,73.79) 256.79,73.7 U15.4@258.67,73.7 ; v1@272.63,70.75 272.63,68.23 272.69,68.17 272.69,64.1 R78.2@272.95,63.84 ; 281.34,20.57 281.35,20.56 ; v1(281.37,21.4) 281.4,21.43 RP10.3@282.98,21.43 ; RP10.1@282.69,19.63 282.11,19.63 281.35,20.39 281.35,20.56 ; RP10.2@282.98,20.53 281.38,20.53 281.35,20.56 ; RP10.4@282.98,22.33 281.38,22.33 281.35,22.36 281.35,20.56 ; U18.8@299.202,89.607 U18.7@300.472,89.607 300.472,87.302 R89.2@299.92,86.75 ; RP5.1@312.67,87.16 RP5.2@313.57,87.16 RP5.3@314.47,87.16 RP5.4@315.37,87.16 319.47,87.16 RP18.4@319.49,87.18
  Bottom Layer w0.3: U8.4@232.659,91.635 U8.4@232.659,91.645 ; U8.1@232.659,95.445 232.699,95.405 U8.2@232.699,94.185 U8.3@232.699,92.915 U8.4@232.699,91.645
  Bottom Layer w0.4: J2.24@91.3,59.195 J2.24@91.365,59.195 ; R3.2@138.89,47.44 139.456,48.006 v1(139.94,48.006)
  Bottom Layer w0.5: v1(174.25,108.49) 174.81,108.49 174.935,108.615 175.21,108.89 U300.2@175.21,109.1 ; U300.2@175.11,109 U300.2@175.21,109.1 ; U300.2@177.25,109.125 175.235,109.125 U300.2@175.21,109.1 ; v1(200.914,92.329) C100.2@201.958,92.329
  Bottom Layer w0.6: R67.1@187.291,87.448 v1(187.291,88.682) C18.1@187.291,89.916
  Bottom Layer w0.7: v1(192.684,58.014) 192.926,57.772 192.926,57.163
  Bottom Layer w0.8: C36.2@191.724,59.461 191.724,58.974 v1(192.684,58.014)